# KiCad board Sebas_nuxros.kicad_pcb (continued)
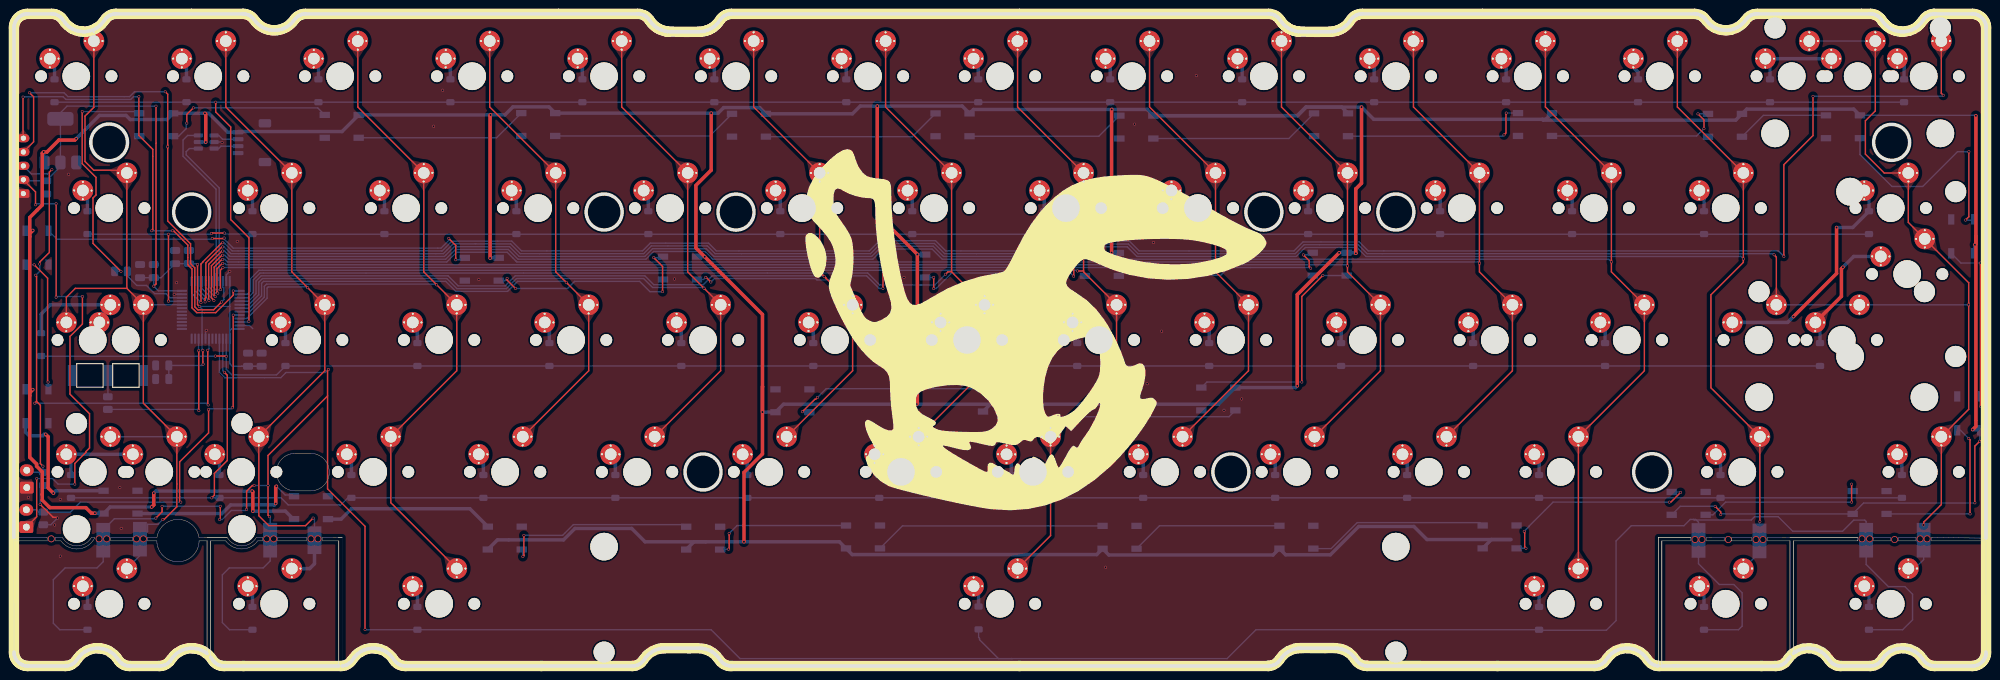
[diagram p0: board, top side]
## Nets (continued)
Net-(Drgb24-DOUT): Drgb24.2 Drgb25.4
Net-(Drgb25-DOUT): Drgb25.2 Drgb26.4
Net-(Drgb26-DOUT): Drgb26.2 Drgb27.4
Net-(Drgb27-DOUT): Drgb27.2 Drgb28.4
Net-(Drgb28-DOUT): Drgb28.2 Drgb29.4
Net-(Drgb29-DOUT): Drgb29.2 Drgb30.4
Net-(Drgb30-DOUT): Drgb30.2 Drgb31.4
Net-(Drgb31-DOUT): Drgb31.2 Drgb32.4
Net-(J1-Pin_2): J1.2 U3.1
Net-(J1-Pin_3): J1.3 U3.3
Net-(Ud1-PA0/ADC_IN0): R3.2 Ud1.10

Pads without a net: Drgb32 2; Ud1 5 6 11 12 13 14 15 16 17 18 19

## Via types
v1: diameter 1, hole 0.8, Top to Bottom, 19 vias
v2: diameter 0.4, hole 0.3, Top to Bottom, 207 vias

## Routing (per net, layer and track width the routed paths; a pad name or vN(x,y) marks a point on that pad's centre or on a via; arc(x,y) is an arc through that point)
+3.3V: length 185.6
  Top w0.2: v2(20.2,54.88) 20.53,55.21 20.53,80.88 v2(20.52,80.89) ; SWbôt1.1 3.3,21.59 v2(3.3,27.09) ; J2.2 3.13,68.5 v2(3.13,66.64) ; v2(27.32,43.61) 27.29,43.64 v2(27.29,45.61) ; v2(8.8,26.29) 8.8,29.28 10.4,30.88 10.4,30.99 10.92,31.51 10.92,36.47 8.1,39.29 8.1,47.63 9.9,49.43 v2(9.9,53.39) ; v2(26.77,51.96) 26.51,52.22 v2(26.51,58.02) ; v2(6.1,53.29) v2(6.1,66.79)
  Bottom w0.2: v2(27.29,45.61) 27.17,45.73 Ud1.9 27.17,51.57 v2(26.77,51.96) 31.16,51.96 31.17,51.95 ; Ud1.1 31.17,43.7 31.56,43.31 32.88,43.31 ; Ud1.1 31.17,48.49 31.39,48.71 Ud1.48 ; Ud1.1 31.17,51.95 ; v2(27.32,43.61) 27.15,43.44 C7.2 C2.2 ; v2(6.1,53.29) 6.2,53.39 v2(9.9,53.39) ; v2(26.51,58.02) 26.4,58.14 C9.2 C4.2 21.25,56.11 C8.2 ; v2(20.52,80.89) 7.68,80.89 6.72,79.93 U2.2 U2.2 6.72,72.16 C5.2 1.52,70.11 J2.2 ; C8.2 v2(20.2,54.88) 20.87,54.21 Ud1.24 ; C8.2 C3.2 ; v2(3.3,27.09) 5.58,27.09 6.38,26.29 v2(8.8,26.29) ; 32.88,43.31 C1.2 C6.2 32.88,43.31 ; 31.17,51.95 Ud1.36 ; v2(6.1,66.79) 3.28,66.79 v2(3.13,66.64)
+5V: length 985.5
  Top w0.2: v2(245.6,23.09) 246.4,22.29 v2(246.4,21.89) ; v2(283.8,32.49) 283.1,31.79 v2(283.1,23.59)
  Top w0.5: 2.29,39.01 2.29,30.18 3.28,29.19 3.28,28.89 4.1,28.07 4.1,23.99 5.2,22.89 10.4,22.89 11.2,22.09 v2(11.7,22.09) ; 2.29,39.01 2.29,61.98 ; 2.29,39.01 2.29,39.5 v2(2.73,39.94) ; v2(19.9,22.99) 20.2,23.29 v2(20.2,24.99) ; v2(193.73,59.63) 193.71,59.65 193.71,68.92 194.55,69.76 v2(194.55,80.75) ; v2(158.5,80.41) 158.47,80.38 v2(158.47,59.73) ; v2(130.33,37.84) 130.43,37.94 v2(130.43,59.48) 124.64,65.27 v2(124.64,80.9) ; v2(283.24,79.5) 283.24,62.06 ; 283.24,62.06 283.24,61.01 v2(283.1,60.87) ; 283.24,62.06 283.24,34.62 v2(282.78,34.16) ; v2(68.82,79.62) 68.75,79.55 v2(68.75,58.94) ; v2(100.67,79.88) 100.67,71.65 98.46,69.44 98.46,60.41 v2(99.74,59.13) 108.07,50.8 108.07,40.39 ; v2(34.5,22.39) 34.5,25.19 v2(34.4,25.29) ; v2(9,76.19) 8.8,75.99 6.5,75.99 4.78,74.27 v2(4.3,74.27) 4.1,74.07 4.1,66.61 2.29,64.8 2.29,61.98 ; 108.07,40.39 108.07,30.65 105.4,27.98 v2(105.4,17.96) ; 108.07,40.39 v2(108.07,36.7) ; v2(2.73,62.93) 2.29,62.49 2.29,61.98 ; v2(191.32,59.71) 185.28,53.67 v2(185.28,40.49) ; v2(27.7,75.69) 27.7,79.73 v2(27.58,79.85)
  Bottom w0.2: v2(246.4,21.89) 246.5,21.99 Drgb12.1 267.02,23.56 283.07,23.56 v2(283.1,23.59) ; Drgb11.1 283.8,34.01 v2(283.8,32.49) ; Drgb9.1 283.18,79.56 v2(283.24,79.5) ; v2(245.6,23.09) 240.56,23.09 Drgb13.1
  Bottom w0.5: v2(191.32,59.71) 192.4,59.71 Drgb29.1 193.64,59.72 v2(193.73,59.63) ; Drgb6.1 191.69,80.76 186.59,80.76 185.34,79.51 Drgb5.1 ; Drgb23.1 1.75,39.94 v2(2.73,39.94) ; Drgb7.1 221.14,78.98 220.67,78.98 ; 143.4,37.84 173.93,37.84 Drgb30.1 185.03,40.24 v2(185.28,40.49) ; 143.4,37.84 v2(130.33,37.84) 111.11,37.84 Drgb32.1 109.93,36.7 v2(108.07,36.7) ; 143.4,37.84 140.97,37.84 Drgb31.1 ; Drgb10.1 283.1,59.75 v2(283.1,60.87) ; v2(34.4,25.29) 20.5,25.29 v2(20.2,24.99) ; Drgb18.1 98.18,17.96 99.88,17.96 ; 99.88,17.96 v2(105.4,17.96) 119.18,17.96 Drgb17.1 121.03,16.11 156.32,16.11 Drgb16.1 158.07,16.06 181.78,16.06 Drgb15.1 183.6,16.08 190.05,16.08 194.15,20.18 202.11,20.18 204,18.29 216.11,18.29 213.31,18.29 Drgb14.1 ; 99.88,17.96 91.12,17.96 89.19,19.89 81,19.89 79.35,18.24 69.81,18.24 Drgb19.1 ; Drgb11.1 283.75,34.16 v2(282.78,34.16) ; Drgb5.1 185.26,79.51 186.5,80.75 v2(194.55,80.75) 196.32,78.98 220.67,78.98 ; Drgb5.1 163.6,80.41 v2(158.5,80.41) 138.53,80.41 Drgb4.1 136.9,80.9 v2(124.64,80.9) 122.18,80.9 121.06,79.78 Drgb3.1 107.67,80.68 102.47,80.68 101.67,79.88 Drgb2.1 77.25,80.78 72.05,80.78 70.89,79.62 v2(68.82,79.62) Drgb1.1 47.38,77.22 32.48,77.22 J1.1 30.89,77.11 28.15,79.85 v2(27.58,79.85) Drgb20.1 22.09,78.95 16.8,78.95 16.2,79.55 12.36,79.55 v2(9,76.19) ; v2(4.3,74.27) 4.3,72.87 U2.3 ; Drgb24.1 1.72,62.93 v2(2.73,62.93) ; U3.5 27.68,75.71 v2(27.7,75.69) ; v2(130.43,59.48) 130.46,59.45 Drgb27.1 ; Drgb26.1 99.72,59.15 v2(99.74,59.13) ; Drgb25.1 68.79,58.98 v2(68.75,58.94) ; v2(19.9,22.99) 13.9,22.99 Drgb22.1 12.9,22.09 v2(11.7,22.09) ; v2(34.5,22.39) 39.2,22.39 40.35,21.24 Drgb21.1 ; Drgb28.1 158.52,59.68 v2(158.47,59.73) ; Drgb9.1 265.6,80.46 250.16,80.46 Drgb8.1 248.57,78.87 220.78,78.87 220.67,78.98
GND: length 16
  Top w0.2: v2(3.8,23.37) 5.68,21.49 6.2,21.49 v2(6.3,21.39)
  Bottom w0.2: v2(3.8,23.37) 3.8,25.54 C10.2 ; v2(27.78,48.51) 27.67,48.4 Ud1.8 ; v2(31.17,57.02) 30.67,56.52 Ud1.35 ; R1.2 5.34,20.43 v2(6.3,21.39) ; Ud1.47 34.03,49.21 34.48,48.76 ; U3.2 29.97,75.71 v2(30.07,75.61) ; Ud1.23 v2(23.15,53.71)
  vias: v2(2.1,24.39) v2(5.9,20.39) v2(6.7,24.09) v2(6.7,15.89) v2(7.92,71.05) v2(15.3,25.79) v2(15.5,19.89) v2(23.5,55.39) v2(32.25,61.36) v2(60.6,77.99) v2(61.9,83.19) v2(67.12,55.84) v2(95.37,55.92) v2(128.5,56.15) v2(157.6,14.29) v2(158.5,32.29) v2(161.8,78.29) v2(162.9,67.89) v2(163.6,40.79) v2(164.5,61.19) v2(165.7,48.39) v2(170.7,85.29) v2(174.7,36.97) v2(177.25,38.6)
(no net):
  vias: v1(5.4,18.39) v1(247.5,18.29) v1(271.5,18.29)
boot: length 56.6
  Top w0.2: v2(24.1,23.69) 23.93,23.86 23.93,29.51 28.11,33.69 v2(28.11,37.06) ; v2(31.67,50.7) 31.67,37.46 v2(31.53,37.32)
  Bottom w0.2: Ud1.44 31.68,50.71 v2(31.67,50.7) ; v2(24.1,23.69) 9.6,23.69 8.16,22.25 R1.1 3.62,22.25 3.28,22.59 SWbôt1.2 2.14,22.25 ; v2(28.11,37.06) 28.23,37.18 31.39,37.18 v2(31.53,37.32)
C0: length 116.8
  Top w0.2: v2(21.5,21.19) 21.7,21.19 23.53,23.02 SW1000.2 18.69,37.98 SW30.2 16.31,54.57 ; SW1001.1 7.58,53.28 8.87,54.57 16.31,54.57 ; 16.31,54.57 SW16.2 15.92,71.63 11.54,71.63 10.27,72.9 10.27,79.45 11.55,80.73 SW1.2
  Bottom w0.2: SW30.2 18.71,52.21 Ud1.20 ; SW57.2 18.2,15.98 NOREF#3.1 19.3,19.44 19.3,20.49 20.8,20.49 v2(21.5,21.19) ; SW1000.2 SW42.2
  vias: v1(17.7,18.39) v1(18.7,18.39)
C1: length 110.2
  Top w0.2: v2(43.2,21.39) 42.1,20.29 36.8,20.29 35.36,21.73 SW44.2 44.88,42.67 SW31.2 v2(42.4,54.67) 40.12,56.95 SW17.2 30.6,80.77 SW2.2
  Bottom w0.2: v2(42.4,54.67) 42.3,54.78 36.72,54.78 36.56,54.62 36.56,53.15 33.62,50.21 Ud1.45 ; v2(43.2,21.39) 43.4,21.19 NOREF#4.1
  Bottom w0.5: NOREF#4.1 43.4,14.79 42.7,14.09 SW58.2
  vias: v1(42.9,18.39) v1(43.9,18.39)
C2: length 121.1
  Top w0.2: SW3.2 49.65,80.77 SW18.2 59.17,56.95 SW32.2 63.93,42.67 SW45.2 54.41,23.62 SW59.2
  Bottom w0.2: v2(61.03,55.08) 60.93,55.18 36.47,55.18 36.16,54.87 36.16,53.31 34.06,51.21 Ud1.43
C3: length 118.1
  Top w0.2: SW46.2 82.98,42.67 82.98,52.19 v2(79.75,55.42) 78.22,56.95 SW19.2 68.7,80.77 SW4.2
  Bottom w0.2: Ud1.42 33.99,51.71 35.76,53.48 35.76,55.3 36.04,55.58 62.35,55.58 63.8,54.13 71.27,54.13 72.72,55.58 79.59,55.58 v2(79.75,55.42)
C4: length 138.6
  Top w0.2: SW47.2 102.04,42.67 SW34.2 v2(99.63,54.59) 97.27,56.95 SW20.2 87.75,80.77 SW5.2
  Bottom w0.2: v2(99.63,54.59) 99.63,54.64 99.7,54.7 92.2,54.7 90.92,55.98 72.56,55.98 71.11,54.53 63.96,54.53 62.51,55.98 35.88,55.98 35.36,55.46 35.36,53.64 33.93,52.21 Ud1.41
C5: length 157.2
  Top w0.2: SW6.2 106.8,80.77 SW21.2 116.32,56.95 116.64,56.63 ; SW48.2 121.09,42.67 SW35.2 117.28,56 ; 116.64,56.63 116.98,56.29 v2(116.98,56.28) 117,56.28 117.28,56 ; 116.64,56.63 117.28,56
  Bottom w0.2: Ud1.40 33.86,52.71 34.96,53.81 34.96,55.63 35.71,56.38 62.68,56.38 64.13,54.93 70.94,54.93 72.39,56.38 91.09,56.38 92.37,55.1 99.53,55.1 100.81,56.38 116.88,56.38 v2(116.98,56.28)
C6: length 173.8
  Top w0.2: SW49.2 140.14,42.67 140.14,52.19 135.37,56.95 ; 135.37,56.95 134.84,56.95 v2(134.49,56.6) ; 135.37,56.95 SW22.2 125.85,80.77 SW7.2
  Bottom w0.2: Ud1.39 33.8,53.21 34.56,53.97 34.56,55.79 35.55,56.78 123.27,56.78 124.99,55.06 132.95,55.06 v2(134.49,56.6)
C7: length 212.4
  Top w0.2: SW8.2 144.9,80.77 SW23.2 154.42,57.09 ; v2(153.56,57.08) 154.41,57.08 154.42,57.09 ; 154.42,57.09 154.42,56.95 SW37.2 159.19,42.67 SW50.2 149.66,18.85 SW62.2
  Bottom w0.2: Ud1.38 33.73,53.71 34.16,54.14 34.16,55.96 35.38,57.18 153.46,57.18 v2(153.56,57.08)
C8: length 216
  Top w0.2: v2(29.82,54.38) 29.82,57.2 v2(30.18,57.56) ; SW9.2 163.95,80.77 SW24.2 v2(173.47,56.95) 178.24,52.19 178.24,42.67 SW51.2
  Bottom w0.2: v2(173.47,56.95) 172.84,57.58 30.2,57.58 v2(30.18,57.56) ; Ud1.31 28.67,54.85 29.14,54.38 v2(29.82,54.38)
C9: length 236.7
  Top w0.2: SW52.2 197.28,42.67 SW39.2 192.52,56.95 v2(192.52,57.81) SW25.2 183,80.77 SW10.2 ; v2(30.14,58.16) 30.07,58.16 29.32,57.41 29.32,54 v2(29.44,53.88)
  Bottom w0.2: v2(192.52,57.81) 192.35,57.98 30.68,57.98 30.5,58.16 v2(30.14,58.16) ; v2(29.44,53.88) 29.08,53.88 28.17,54.79 Ud1.30
C10: length 258.9
  Top w0.2: SW11.2 202.05,80.77 SW26.2 v2(211.57,58.2) 211.57,56.95 SW40.2 216.34,42.67 SW53.2 ; v2(30.14,58.76) 30.04,58.76 28.92,57.64 28.92,53.53 v2(29.07,53.38)
  Bottom w0.2: 72.42,58.58 71.21,59.79 63.91,59.79 62.5,58.38 30.85,58.38 30.47,58.76 v2(30.14,58.76) ; 72.42,58.58 72.62,58.38 211.39,58.38 v2(211.57,58.2) ; 72.42,58.58 72.58,58.42 ; v2(29.07,53.38) 29.01,53.38 27.67,54.72 Ud1.29
C11: length 301.2
  Top w0.2: SW12.2 221.1,80.77 SW27.2 v2(230.62,58.4) 230.62,56.95 SW41.2 235.39,42.67 SW54.2 SW68.2 ; v2(28.88,52.81) 28.88,52.87 28.52,53.22 28.52,57.84 30.04,59.36 v2(30.14,59.36)
  Bottom w0.2: v2(30.14,59.36) 30.43,59.36 31.01,58.78 62.33,58.78 63.74,60.19 71.38,60.19 72.79,58.78 91.25,58.78 92.37,59.9 99.79,59.9 100.91,58.78 124,58.78 125.47,60.25 132.56,60.25 134.03,58.78 230.24,58.78 v2(230.62,58.4) ; v2(28.88,52.81) 27.17,54.52 Ud1.28
C12: length 322
  Top w0.2: v2(30.14,59.96) 30.04,59.96 28.12,58.04 28.12,52.86 v2(28.17,52.81) ; v2(252.05,20.89) SW55.2 244.99,40.2 244.99,53.64 249.67,58.32 v2(249.67,58.82) SW28.2 240.15,80.77 SW13.2
  Bottom w0.2: v2(30.14,59.96) 30.4,59.96 31.18,59.18 62.17,59.18 63.58,60.59 71.54,60.59 72.95,59.18 91.08,59.18 92.2,60.3 99.96,60.3 101.08,59.18 123.83,59.18 125.3,60.65 132.73,60.65 134.2,59.18 152.12,59.18 153.51,60.57 160.73,60.57 162.12,59.18 185.14,59.18 186.43,60.47 193.9,60.47 195.19,59.18 249.31,59.18 v2(249.67,58.82) ; Ud1.27 26.67,54.31 v2(28.17,52.81) ; NOREF#7.1 252,20.84 v2(252.05,20.89) 252.1,20.84 ; 252,16.42 SW69.2 249.27,13.69
  vias: v1(251.5,18.29) v1(252.5,18.29)
C13: length 374.3
  Top w0.2: v2(254.11,59.42) 254.44,59.1 SW1004.2 ; v2(275.7,20.39) 275.7,20.79 278.25,23.34 SW56.2 282.2,37.09 v2(282.2,52.21) 282.2,55.38 SW1003.2 273.49,64.1 SW29.2 270.01,71.24 267.29,73.96 267.29,78.77 268.72,80.2 SW1002.2 ; v2(30.14,60.56) 30.04,60.56 27.72,58.24 27.72,53.26 27.61,53.15 v2(27.61,52.61)
  Bottom w0.2: SW70.2 274.4,14.09 275.7,15.39 NOREF#5.1 ; v2(254.11,59.42) 253.95,59.58 195.36,59.58 194.07,60.87 186.26,60.87 184.97,59.58 162.29,59.58 160.9,60.97 153.34,60.97 151.95,59.58 134.36,59.58 132.89,61.05 125.14,61.05 123.67,59.58 101.24,59.58 100.12,60.7 92.04,60.7 90.92,59.58 73.12,59.58 71.71,60.99 63.41,60.99 62,59.58 31.34,59.58 30.36,60.56 v2(30.14,60.56) ; Ud1.26 26.17,54.25 27.61,52.81 v2(27.61,52.61) ; SW1002.2 SW14.2 ; v2(282.2,52.21) 282.18,52.19 SW43.2 SW1004.2
  vias: v1(275.2,18.39) v1(276.2,18.39)
C14: length 297.1
  Top w0.2: v2(30.14,61.16) 30.04,61.16 27.32,58.44 27.32,58.41 27.01,58.1 v2(27.01,52.51) ; v2(259.73,82.31) 259.73,76.64 255.52,72.43 v2(255.52,59.18) ; SW15.2 278.25,82.74 v2(278.54,82.45)
  Bottom w0.2: v2(255.52,59.18) 254.72,59.98 195.52,59.98 194.23,61.27 186.1,61.27 184.81,59.98 162.45,59.98 161.06,61.37 153.18,61.37 151.79,59.98 134.53,59.98 133.06,61.45 124.97,61.45 123.5,59.98 101.41,59.98 100.29,61.1 91.87,61.1 90.75,59.98 73.28,59.98 71.87,61.39 63.25,61.39 61.84,59.98 31.51,59.98 30.33,61.16 v2(30.14,61.16) ; Ud1.25 25.67,53.86 v2(27.01,52.51) ; v2(259.73,82.31) 278.4,82.31 v2(278.54,82.45)
CLK: length 67.5
  Top w0.2: v2(22.91,62.89) 23.05,62.89 25.11,60.83 25.11,57.97 25.71,57.37 25.71,51.75 26.4,51.06 29.14,51.06 31.67,53.59 v2(31.67,54.19) ; v2(18.05,82.25) 18.05,76.65 20.05,74.65 20.05,63.03 v2(19.91,62.89) ; J2.5 1.33,76.3 v2(1.33,82.2)
  Bottom w0.2: v2(19.91,62.89) v2(22.91,62.89) ; v2(1.33,82.2) 1.38,82.25 7.11,82.25 7.5,81.86 16.88,81.86 17.27,82.25 v2(18.05,82.25) ; Ud1.37 32.56,54.19 v2(31.67,54.19)
D+: length 22.6
  Bottom w0.2: Ud1.33 29.67,56.73 29.64,56.75 29.64,69.07 24.88,73.84 24.88,74.32 24.89,74.32 25.33,74.76 U3.4
D-: length 24.8
  Bottom w0.2: U3.6 25.09,76.66 24.42,76 24.42,73.66 29.2,68.89 29.2,56.75 29.17,56.73 Ud1.32
DIO: length 70.1
  Top w0.2: v2(29.97,52.6) 28.83,51.46 26.57,51.46 26.11,51.92 26.11,57.54 25.51,58.14 25.51,61 22.21,64.3 v2(22.21,75.03) 22.21,82.62 v2(21.86,82.97) ; v2(2.27,82.82) 2.85,82.24 2.85,75.74 J2.4
  Bottom w0.2: v2(21.86,82.97) 17.42,82.97 16.71,82.26 7.81,82.26 7.25,82.82 v2(2.27,82.82) ; Ud1.34 30.17,54.74 30.32,54.59 30.32,52.95 v2(29.97,52.6)
R0: length 302
  Top w0.2: v2(29.14,81.46) 29.14,80.04 31.3,77.88 31.3,64.51 33.93,61.88 v2(33.93,49.82)
  Bottom w0.2: D15.1 v2(29.14,81.46) D1.1 ; v2(33.93,49.82) 33.83,49.71 Ud1.46
R1: length 268.9
  Top w0.2: v2(30.37,62.56) 28.58,62.56 v2(28.52,62.5) ; v2(22.32,52.72) 22.32,62.38 v2(22.33,62.39)
  Bottom w0.2: D29.1 267.79,62.39 34.47,62.39 D17.1 30.52,62.41 v2(30.37,62.56) ; D16.1 10.65,62.39 v2(22.33,62.39) 28.41,62.39 v2(28.52,62.5) ; Ud1.21 22.33,52.71 v2(22.32,52.72)
R2: length 262.1
  Top w0.2: v2(29.09,44.79) 30.63,44.79 v2(30.67,44.75)
  Bottom w0.2: D43.1 D31.1 37.92,42.07 31.48,42.07 30.67,42.88 v2(30.67,44.75) Ud1.2 ; v2(29.09,44.79) 29.06,44.76 3.98,44.76 D30.1
R3: length 289.4
  Top w0.2: v2(28.56,24.31) 28.95,24.7 28.95,27.84 30.81,29.7 30.81,42.03 v2(30.4,42.45)
  Bottom w0.2: D42.1 v2(28.56,24.31) D44.1 38.58,24.31 39.6,23.29 47,23.29 47.1,23.19 48.22,24.31 D45.1 D54.1 D56.1 ; v2(30.4,42.45) 30.17,42.67 Ud1.3
R4: length 458.6
  Top w0.2: 45.28,39.03 45.28,42.74 v2(45.41,42.86) ; 45.28,39.03 45.28,25.61 50.7,20.19 v2(50.7,5.29) ; 45.28,39.03 36.7,30.44 v2(36.7,26.09) 36.7,21.79 v2(36.9,21.59) ; v2(33.6,22.64) 33.6,25.27 34.42,26.09 v2(34.7,26.09) ; v2(29.8,23.09) 29.8,21.29 v2(29.7,21.19) ; v2(21.4,23.09) 21.4,22.29 v2(20.5,21.39)
  Bottom w0.2: v2(45.41,42.86) 44.97,42.42 39.29,42.42 38.54,41.67 30.47,41.67 29.67,42.47 Ud1.4 ; D57.1 6.63,5.26 5.7,6.19 5.7,12.49 7.4,14.19 12,14.19 12.9,15.09 NOREF.1 12.9,19.69 14.5,21.29 20.4,21.29 v2(20.5,21.39) ; D69.1 248.97,5.26 249.5,5.79 249.5,10.59 248.3,11.79 246.2,11.79 243.2,14.79 243.2,20.79 242.8,21.19 242.5,21.19 ; 267.1,20.39 267.4,20.09 ; D58.1 31.13,5.26 30.1,6.29 30.1,13.19 31.1,14.19 36,14.19 37,15.19 NOREF#2.1 37,21.49 v2(36.9,21.59) ; D70.1 272.67,5.26 274.1,6.69 274.1,10.39 273,11.49 270.6,11.49 267.4,14.69 NOREF#8.1 267.4,20.89 267.2,21.09 265.6,21.09 264,19.49 256.8,19.49 254.7,21.59 251.3,21.59 250.82,21.11 242.58,21.11 242.5,21.19 ; 242.5,21.19 242,21.19 241.1,20.29 233.5,20.29 231.3,18.09 231.3,6.59 229.9,5.19 220.25,5.19 D68.1 179.31,5.26 175.14,1.09 144.11,1.09 ; 243.2,19.79 243.7,20.29 ; v2(33.6,22.64) 33.45,22.49 31.4,22.49 30.1,21.19 v2(29.7,21.19) ; v2(50.7,5.29) 50.73,5.26 D59.1 100.66,5.26 104.83,1.09 144.11,1.09 ; 144.11,1.09 142.13,1.09 139.41,3.81 139.41,4.02 139.27,4.16 D62.1 ; v2(21.4,23.09) v2(29.8,23.09) ; v2(34.7,26.09) v2(36.7,26.09)
  vias: v1(12.3,18.39) v1(13.4,18.39) v1(36.5,18.39) v1(37.5,18.39) v1(242.7,18.29) v1(243.7,18.29) v1(266.8,18.39) v1(267.9,18.39)
RGB: length 9.9
  Bottom w0.2: Ud1.22 22.54,53.21 21.94,53.81 20.33,53.81 19.15,54.99 17.75,54.99 16.38,56.36 R2.1
RST: length 87.8
  Top w0.2: v2(27.99,45.63) 27.99,37.79 v2(28.05,37.73) ; v2(5.49,71.72) 5.12,71.35 5.12,59.75 3.73,58.36 v2(3.73,58.08) ; 3.28,38.24 3.83,37.69 3.83,29.26 v2(4.2,28.89) ; 3.28,38.24 v2(3.02,37.98) ; 3.28,38.24 3.28,56.34 v2(3.15,56.47)
  Bottom w0.2: v2(5.49,71.72) 4.87,71.1 2.53,71.1 J2.3 ; v2(3.15,56.47) 3.73,57.05 v2(3.73,58.08) ; v2(4.2,28.89) 4.2,28.14 C10.1 2.16,27.99 SWbôtrst1.2 ; v2(3.02,37.98) 27.8,37.98 v2(28.05,37.73) ; v2(27.99,45.63) 28.17,45.81 Ud1.7
Net-(D1-A): length 3.3
  Bottom w0.5: SW1.1 5.87,87.08 D1.2
Net-(D2-A): length 3.3
  Bottom w0.5: SW2.1 24.92,87.08 D2.2
Net-(D3-A): length 3.3
  Bottom w0.5: SW3.1 43.97,87.08 D3.2
Net-(D4-A): length 3.3
  Bottom w0.5: SW4.1 63.02,87.08 D4.2
Net-(D5-A): length 3.3
  Bottom w0.5: SW5.1 82.07,87.08 D5.2
Net-(D6-A): length 3.3
  Bottom w0.5: D6.2 101.12,87.08 SW6.1
Net-(D7-A): length 3.3
  Bottom w0.5: D7.2 120.17,87.08 SW7.1
Net-(D8-A): length 3.3
  Bottom w0.5: SW8.1 139.22,87.08 D8.2
Net-(D9-A): length 3.3
  Bottom w0.5: D9.2 158.27,87.08 SW9.1
Net-(D10-A): length 3.3
  Bottom w0.5: SW10.1 177.32,87.08 D10.2
Net-(D11-A): length 3.3
  Bottom w0.5: SW11.1 196.37,87.08 D11.2
Net-(D12-A): length 3.3
  Bottom w0.5: D12.2 215.42,87.08 SW12.1
Net-(D13-A): length 2
  Bottom w0.5: D13.2 234.47,85.82 SW13.1
Net-(D14-A): length 12.8
  Bottom w0.5: SW1002.1 SW14.1 253.52,87.08 D14.2
Net-(D15-A): length 3.4
  Bottom w0.5: D15.2 272.87,86.78 SW15.1
Net-(D16-A): length 3.3
  Bottom w0.5: SW16.1 10.63,68.03 D16.2
Net-(D17-A): length 3.3
  Bottom w0.5: D17.2 34.45,68.03 SW17.1
Net-(D18-A): length 3.3
  Bottom w0.5: D18.2 53.49,68.03 SW18.1
Net-(D19-A): length 3.3
  Bottom w0.5: D19.2 72.55,68.03 SW19.1
Net-(D20-A): length 3.3
  Bottom w0.5: D20.2 91.59,68.03 SW20.1
Net-(D21-A): length 3.3
  Bottom w0.5: SW21.1 110.65,68.03 D21.2
Net-(D22-A): length 3.3
  Bottom w0.5: D22.2 129.69,68.03 SW22.1
Net-(D23-A): length 3.3
  Bottom w0.5: D23.2 148.75,68.03 SW23.1
Net-(D24-A): length 3.3
  Bottom w0.5: SW24.1 167.8,68.03 D24.2
Net-(D25-A): length 3.3
  Bottom w0.5: SW25.1 186.84,68.03 D25.2
Net-(D26-A): length 3.3
  Bottom w0.5: D26.2 205.9,68.03 SW26.1
Net-(D27-A): length 3.3
  Bottom w0.5: SW27.1 224.94,68.03 D27.2
Net-(D28-A): length 3.3
  Bottom w0.5: SW28.1 244,68.03 D28.2
Net-(D29-A): length 33.4
  Top w0.5: v2(256.91,50.49) 263.13,56.71 v2(263.13,63.36)
  Bottom w0.5: 267.59,68.7 267.81,68.48 D29.2 265.46,63.36 v2(263.13,63.36) ; v2(256.91,50.49) 256.07,49.65 SW1004.1
Net-(D30-A): length 16.5
  Bottom w0.5: D30.2 3.94,50.85 5.28,52.19 SW1001.2 12.34,50.6 SW30.1
Net-(D31-A): length 3.3
  Bottom w0.5: SW31.1 39.21,48.98 D31.2
Net-(D32-A): length 3.3
  Bottom w0.5: D32.2 58.26,48.98 SW32.1
Net-(D33-A): length 3.3
  Bottom w0.5: SW33.1 77.31,48.98 D33.2
Net-(D34-A): length 3.3
  Bottom w0.5: D34.2 96.36,48.98 SW34.1
Net-(D35-A): length 3.3
  Bottom w0.5: SW35.1 115.41,48.98 D35.2
Net-(D36-A): length 3.3
  Bottom w0.5: D36.2 134.46,48.98 SW36.1
Net-(D37-A): length 3.3
  Bottom w0.5: SW37.1 153.51,48.98 D37.2
Net-(D38-A): length 3.3
  Bottom w0.5: D38.2 172.56,48.98 SW38.1
Net-(D39-A): length 3.3
  Bottom w0.5: SW39.1 191.61,48.98 D39.2
Net-(D40-A): length 3.3
  Bottom w0.5: D40.2 210.66,48.98 SW40.1
Net-(D41-A): length 3.3
  Bottom w0.5: SW41.1 229.71,48.98 D41.2
Net-(D42-A): length 12.9
  Bottom w0.5: SW1000.1 SW42.1 8.25,29.93 D42.2
Net-(D43-A): length 19
  Top w0.5: SW43.1 263.83,53.41 263.83,57.41 v2(264.05,57.63)
  Bottom w0.5: v2(264.05,57.63) 265.59,59.18 SW1003.1 ; SW43.1 260.74,48.98 D43.2
Net-(D44-A): length 3.3
  Bottom w0.5: D44.2 29.68,29.93 SW44.1
Net-(D45-A): length 3.3
  Bottom w0.5: D45.2 48.73,29.93 SW45.1
Net-(D46-A): length 3.3
  Bottom w0.5: SW46.1 67.78,29.93 D46.2
Net-(D47-A): length 3.3
  Bottom w0.5: D47.2 86.83,29.93 SW47.1
Net-(D48-A): length 3.3
  Bottom w0.5: SW48.1 105.88,29.93 D48.2
Net-(D49-A): length 3.3
  Bottom w0.5: SW49.1 124.93,29.93 D49.2
Net-(D50-A): length 3.3
  Bottom w0.5: SW50.1 143.98,29.93 D50.2
Net-(D51-A): length 3.3
  Bottom w0.5: SW51.1 163.03,29.93 D51.2
Net-(D52-A): length 3.3
  Bottom w0.5: D52.2 182.08,29.93 SW52.1
Net-(D53-A): length 3.3
  Bottom w0.5: SW53.1 201.13,29.93 D53.2
Net-(D54-A): length 3.3
  Bottom w0.5: SW54.1 220.18,29.93 D54.2
Net-(D55-A): length 3.3
  Bottom w0.5: SW55.1 246.38,29.93 D55.2
Net-(D56-A): length 3.3
  Bottom w0.5: SW56.1 272.57,29.93 D56.2
Net-(D57-A): length 3.3
  Bottom w0.5: D57.2 10.63,10.88 SW57.1
Net-(D58-A): length 3.3
  Bottom w0.5: SW58.1 34.45,10.88 D58.2
Net-(D59-A): length 3.3
  Bottom w0.5: SW59.1 58.26,10.88 D59.2
Net-(D62-A): length 3.2
  Bottom w0.5: D62.2 139.27,10.83 SW62.1
Net-(D68-A): length 3.3
  Bottom w0.5: SW68.1 220.18,10.88 D68.2
Net-(D69-A): length 3.3
  Bottom w0.5: SW69.1 244,10.88 D69.2
Net-(D70-A): length 3.3
  Bottom w0.5: SW70.1 267.81,10.88 D70.2
Net-(Dled1-A): length 3.1
  Bottom w0.2: Dled2.2 13.58,38.92 R3.1
Net-(Drgb1-DIN): length 25.2
  Top w0.2: v2(24.97,78.44) 24.97,79.7 v2(25.91,80.64)
  Bottom w0.2: Drgb1.4 43.86,80.64 v2(25.91,80.64) ; Drgb20.2 23.79,76.55 24.88,77.64 24.88,78.35 v2(24.97,78.44)
Net-(Drgb1-DOUT): length 24.9
  Bottom w0.2: Drgb2.4 69.69,76.32 Drgb1.2
Net-(Drgb2-DOUT): length 26.8
  Bottom w0.2: Drgb2.2 100.47,76.58 Drgb3.4
Net-(Drgb3-DOUT): length 25.9
  Bottom w0.2: Drgb3.2 129.7,76.48 Drgb4.4
Net-(Drgb4-DOUT): length 22.9
  Bottom w0.2: Drgb5.4 156.63,76.54 Drgb4.2
Net-(Drgb5-DOUT): length 24.7
  Bottom w0.2: Drgb6.4 184.06,76.21 Drgb5.2
Net-(Drgb6-DOUT): length 27.6
  Top w0.2: v2(215.44,79.89) 215.4,79.85 215.4,77.01 v2(215.12,76.73)
  Bottom w0.2: v2(215.44,79.89) 217.13,79.89 Drgb7.4 ; Drgb6.2 214.94,76.55 v2(215.12,76.73)
Net-(Drgb7-DOUT): length 26.3
  Top w0.2: v2(243.98,77.63) 243.98,78.91 v2(243.12,79.77)
  Bottom w0.2: Drgb7.2 242.93,76.58 v2(243.98,77.63) ; v2(243.12,79.77) Drgb8.4
Net-(Drgb8-DOUT): length 13.4
  Bottom w0.2: Drgb9.4 252.56,79.56 Drgb8.2
Net-(Drgb10-DIN): length 33.4
  Top w0.2: v2(282.23,74.31) 282.23,64.91 v2(281.75,64.43)
  Bottom w0.2: v2(282.23,74.31) 280.59,74.31 275.57,69.29 271.12,69.29 266.5,73.91 Drgb9.2 ; Drgb10.4 282.88,64.43 v2(281.75,64.43)
Net-(Drgb10-DOUT): length 27.1
  Top w0.2: v2(283.9,58.23) 283.9,37.55 v2(283.97,37.48)
  Bottom w0.2: Drgb11.4 283.97,38.84 v2(283.97,37.48) ; Drgb10.2 281.08,58.23 v2(283.9,58.23)
Net-(Drgb11-DOUT): length 25.2
  Top w0.2: v2(282.2,32.89) 282.4,32.69 v2(282.4,21.99)
  Bottom w0.2: Drgb11.2 281.03,34.06 v2(282.2,32.89) ; Drgb12.4 v2(282.4,21.99)
Net-(Drgb12-DOUT): length 25.5
  Top w0.2: v2(265.3,23.69) v2(265.3,26.29)
  Bottom w0.2: Drgb12.2 265.3,25.44 v2(265.3,26.29) ; v2(265.3,23.69) 247.11,23.69 245.28,21.86 Drgb13.4
Net-(Drgb13-DOUT): length 30.5
  Top w0.2: v2(240.6,25.09) 239.2,23.69 v2(239,23.69) ; v2(218.29,17.02) 218.11,17.2 218.11,19.41 v2(218.04,19.48)
  Bottom w0.2: v2(218.04,19.48) 218.75,20.19 218.75,20.24 222.2,23.69 v2(239,23.69) ; v2(218.29,17.02) Drgb14.4 ; 239.1,25.39 Drgb13.2 240.53,25.16 v2(240.6,25.09)
Net-(Drgb14-DOUT): length 26.2
  Bottom w0.2: Drgb15.4 190.17,16.98 193.92,20.73 211.63,20.73 Drgb14.2
Net-(Drgb15-DOUT): length 22
  Bottom w0.2: Drgb15.2 165.39,20.28 Drgb16.4
Net-(Drgb16-DOUT): length 33.5
  Bottom w0.2: Drgb17.4 128.28,20.26 Drgb16.2
Net-(Drgb17-DOUT): length 20.9
  Top w0.2: v2(103.16,16.89) 103.26,16.99 v2(103.26,19.17)
  Bottom w0.2: Drgb18.4 102.01,16.89 v2(103.16,16.89) ; Drgb17.2 104.4,20.31 v2(103.26,19.17)
Net-(Drgb18-DOUT): length 28.4
  Top w0.2: v2(73.48,15.82) 73.63,15.97 v2(73.63,18.89)
  Bottom w0.2: v2(73.48,15.82) 73.48,16.69 Drgb19.4 ; Drgb18.2 96.76,20.44 80.77,20.44 79.22,18.89 v2(73.63,18.89)
Net-(Drgb19-DOUT): length 24.8
  Bottom w0.5: Drgb19.2 65.83,22.74 48.75,22.74 47.25,21.24 Drgb21.4
Net-(Drgb20-DIN): length 35
  Top w0.2: v2(15.47,57.02) 11.42,61.07 11.42,67.61 11.86,68.05 11.86,70.6 9.87,72.59 v2(9.87,80.1)
  Bottom w0.2: v2(15.47,57.02) 15.46,57.03 14.56,57.03 ; Drgb20.4 17.84,80.1 v2(9.87,80.1)
Net-(Drgb21-DOUT): length 26.2
  Top w0.5: v2(37.8,23.49) 37.8,25.89 v2(37.9,25.99)
  Bottom w0.2: v2(37.9,25.99) 39.17,24.72 40.21,24.72 40.27,24.72 Drgb21.2
  Bottom w0.5: Drgb22.4 30.05,22.04 31.3,23.29 37.6,23.29 v2(37.8,23.49)
Net-(Drgb22-DOUT): length 21
  Top w0.5: v2(4.6,33.49) 4.96,33.13 4.96,25.73 v2(5.7,24.99)
  Bottom w0.2: 1.8,34.99 Drgb23.4
  Bottom w0.5: v2(4.6,33.49) 4.4,33.49 4.2,33.29 2.2,33.29 1.69,33.8 Drgb23.4 ; Drgb22.2 6.05,25.34 v2(5.7,24.99)
Net-(Drgb23-DOUT): length 20.1
  Top w0.2: v2(4.94,41.04) 4.87,41.11 4.87,56.04 v2(2.94,57.97)
  Bottom w0.2: Drgb24.4 1.72,57.97 v2(2.94,57.97) ; Drgb23.2 4.99,40.99 v2(4.94,41.04)
Net-(Drgb24-DOUT): length 64.7
  Top w0.2: v2(62.78,61.78) 63.79,60.77 v2(63.79,58.7) ; v2(30.35,61.84) 30.27,61.76 v2(28.64,61.76)
  Bottom w0.2: v2(62.78,61.78) 62.78,61.49 61.67,60.38 31.67,60.38 30.43,61.62 30.43,61.76 v2(30.35,61.84) ; v2(63.79,58.7) 64.82,58.7 Drgb25.4 ; v2(28.64,61.76) 28.54,61.66 6.23,61.66 Drgb24.2
Net-(Drgb25-DOUT): length 32.4
  Top w0.2: v2(93.65,54.09) 93.65,57.73 v2(92.37,59.01) ; v2(71.21,56.02) 71.21,55.76 v2(72.41,54.56)
  Bottom w0.2: v2(71.21,56.02) 70.87,55.68 Drgb25.2 ; v2(72.41,54.56) 79.93,54.56 80.95,55.58 90.34,55.58 91.83,54.09 v2(93.65,54.09) ; Drgb26.4 93.57,59.01 v2(92.37,59.01)
Net-(Drgb26-DOUT): length 34.8
  Top w0.2: v2(125.46,54.56) 125.46,58.85 v2(125.21,59.1) ; v2(99.89,56.16) 99.94,56.16 v2(100.62,55.48)
  Bottom w0.2: v2(125.46,54.56) 124.92,54.56 123.1,56.38 118.27,56.38 117.67,55.78 115.94,55.78 115.74,55.98 101.12,55.98 v2(100.62,55.48) ; v2(125.21,59.1) 126.31,59.1 Drgb27.4 ; v2(99.89,56.16) 99.57,55.85 Drgb26.2
Net-(Drgb27-DOUT): length 28.8
  Top w0.2: v2(132.79,56.15) v2(132.79,54.54) ; v2(152.99,56.32) 153.01,56.34 153.01,59.12 v2(153.21,59.32)
  Bottom w0.2: Drgb27.2 v2(132.79,56.15) ; v2(132.79,54.54) 133.14,54.54 135.38,56.78 152.53,56.78 v2(152.99,56.32) ; Drgb28.4 154.26,59.32 v2(153.21,59.32)
Net-(Drgb28-DOUT): length 32.7
  Top w0.2: v2(186.16,59.4) 187,58.56 187,57.69 v2(187.21,57.48)
  Bottom w0.2: v2(186.16,59.4) 187.19,59.4 Drgb29.4 ; Drgb28.2 160.32,57.18 172.11,57.18 172.84,56.45 174.21,56.45 175.34,57.58 187.11,57.58 v2(187.21,57.48)
Net-(Drgb29-DOUT): length 34.9
  Top w0.2: v2(188.96,56.44) 185.93,53.4 v2(185.93,41.04)
  Bottom w0.2: Drgb29.2 188.98,56.42 v2(188.96,56.44) ; Drgb30.4 172.23,41.04 v2(185.93,41.04)
Net-(Drgb30-DOUT): length 32.2
  Bottom w0.2: Drgb30.2 175.42,36.03 145.56,36.03 Drgb31.4
Net-(Drgb31-DOUT): length 28.5
  Top w0.2: v2(113.83,36.75) 115.62,38.54 115.73,38.54 v2(116.01,38.82)
  Bottom w0.2: v2(116.01,38.82) 117.27,40.08 Drgb31.2 ; v2(113.83,36.75) 114.78,36.75 Drgb32.4
Net-(J1-Pin_2): length 3.7
  Bottom w0.2: J1.2 30.13,76.11 29.58,76.66 U3.1
Net-(J1-Pin_3): length 3.6
  Bottom w0.2: U3.3 29.56,74.76 29.91,75.11 J1.3
Net-(Ud1-PA0/ADC_IN0): length 23.6
  Top w0.2: v2(26.69,45.58) 26.69,36.93 v2(26.71,36.91)
  Bottom w0.2: v2(26.71,36.91) 26.54,37.09 R3.2 ; Ud1.10 26.67,45.6 v2(26.69,45.58)

## Copper pours and planes (outline as drawn; the poured copper is in the pictures)
GND on Top, Bottom: 302.3,112.89 -16.6,109.29 -15.8,-19.31 299.5,-22.11

Small or netless copper shapes (teardrops, artwork), in the pictures only: 267 on Top, 503 on Bottom
